# Altium PCB Spektrop2_Processor_Board_V1.PcbDoc (part 2 of 5)
Units mm, origin at the board's own origin, x right, y up, seen from the top; angles counter-clockwise.
Board outline 42 x 42 mm, 8 copper layers (TOP, L1-GND, L2, L3-1V8, L4-PWR, L5, L6-P2V5, BTM), stack 1.588 mm thick; 270 components, 225 nets, 1404 pads, 753 vias.
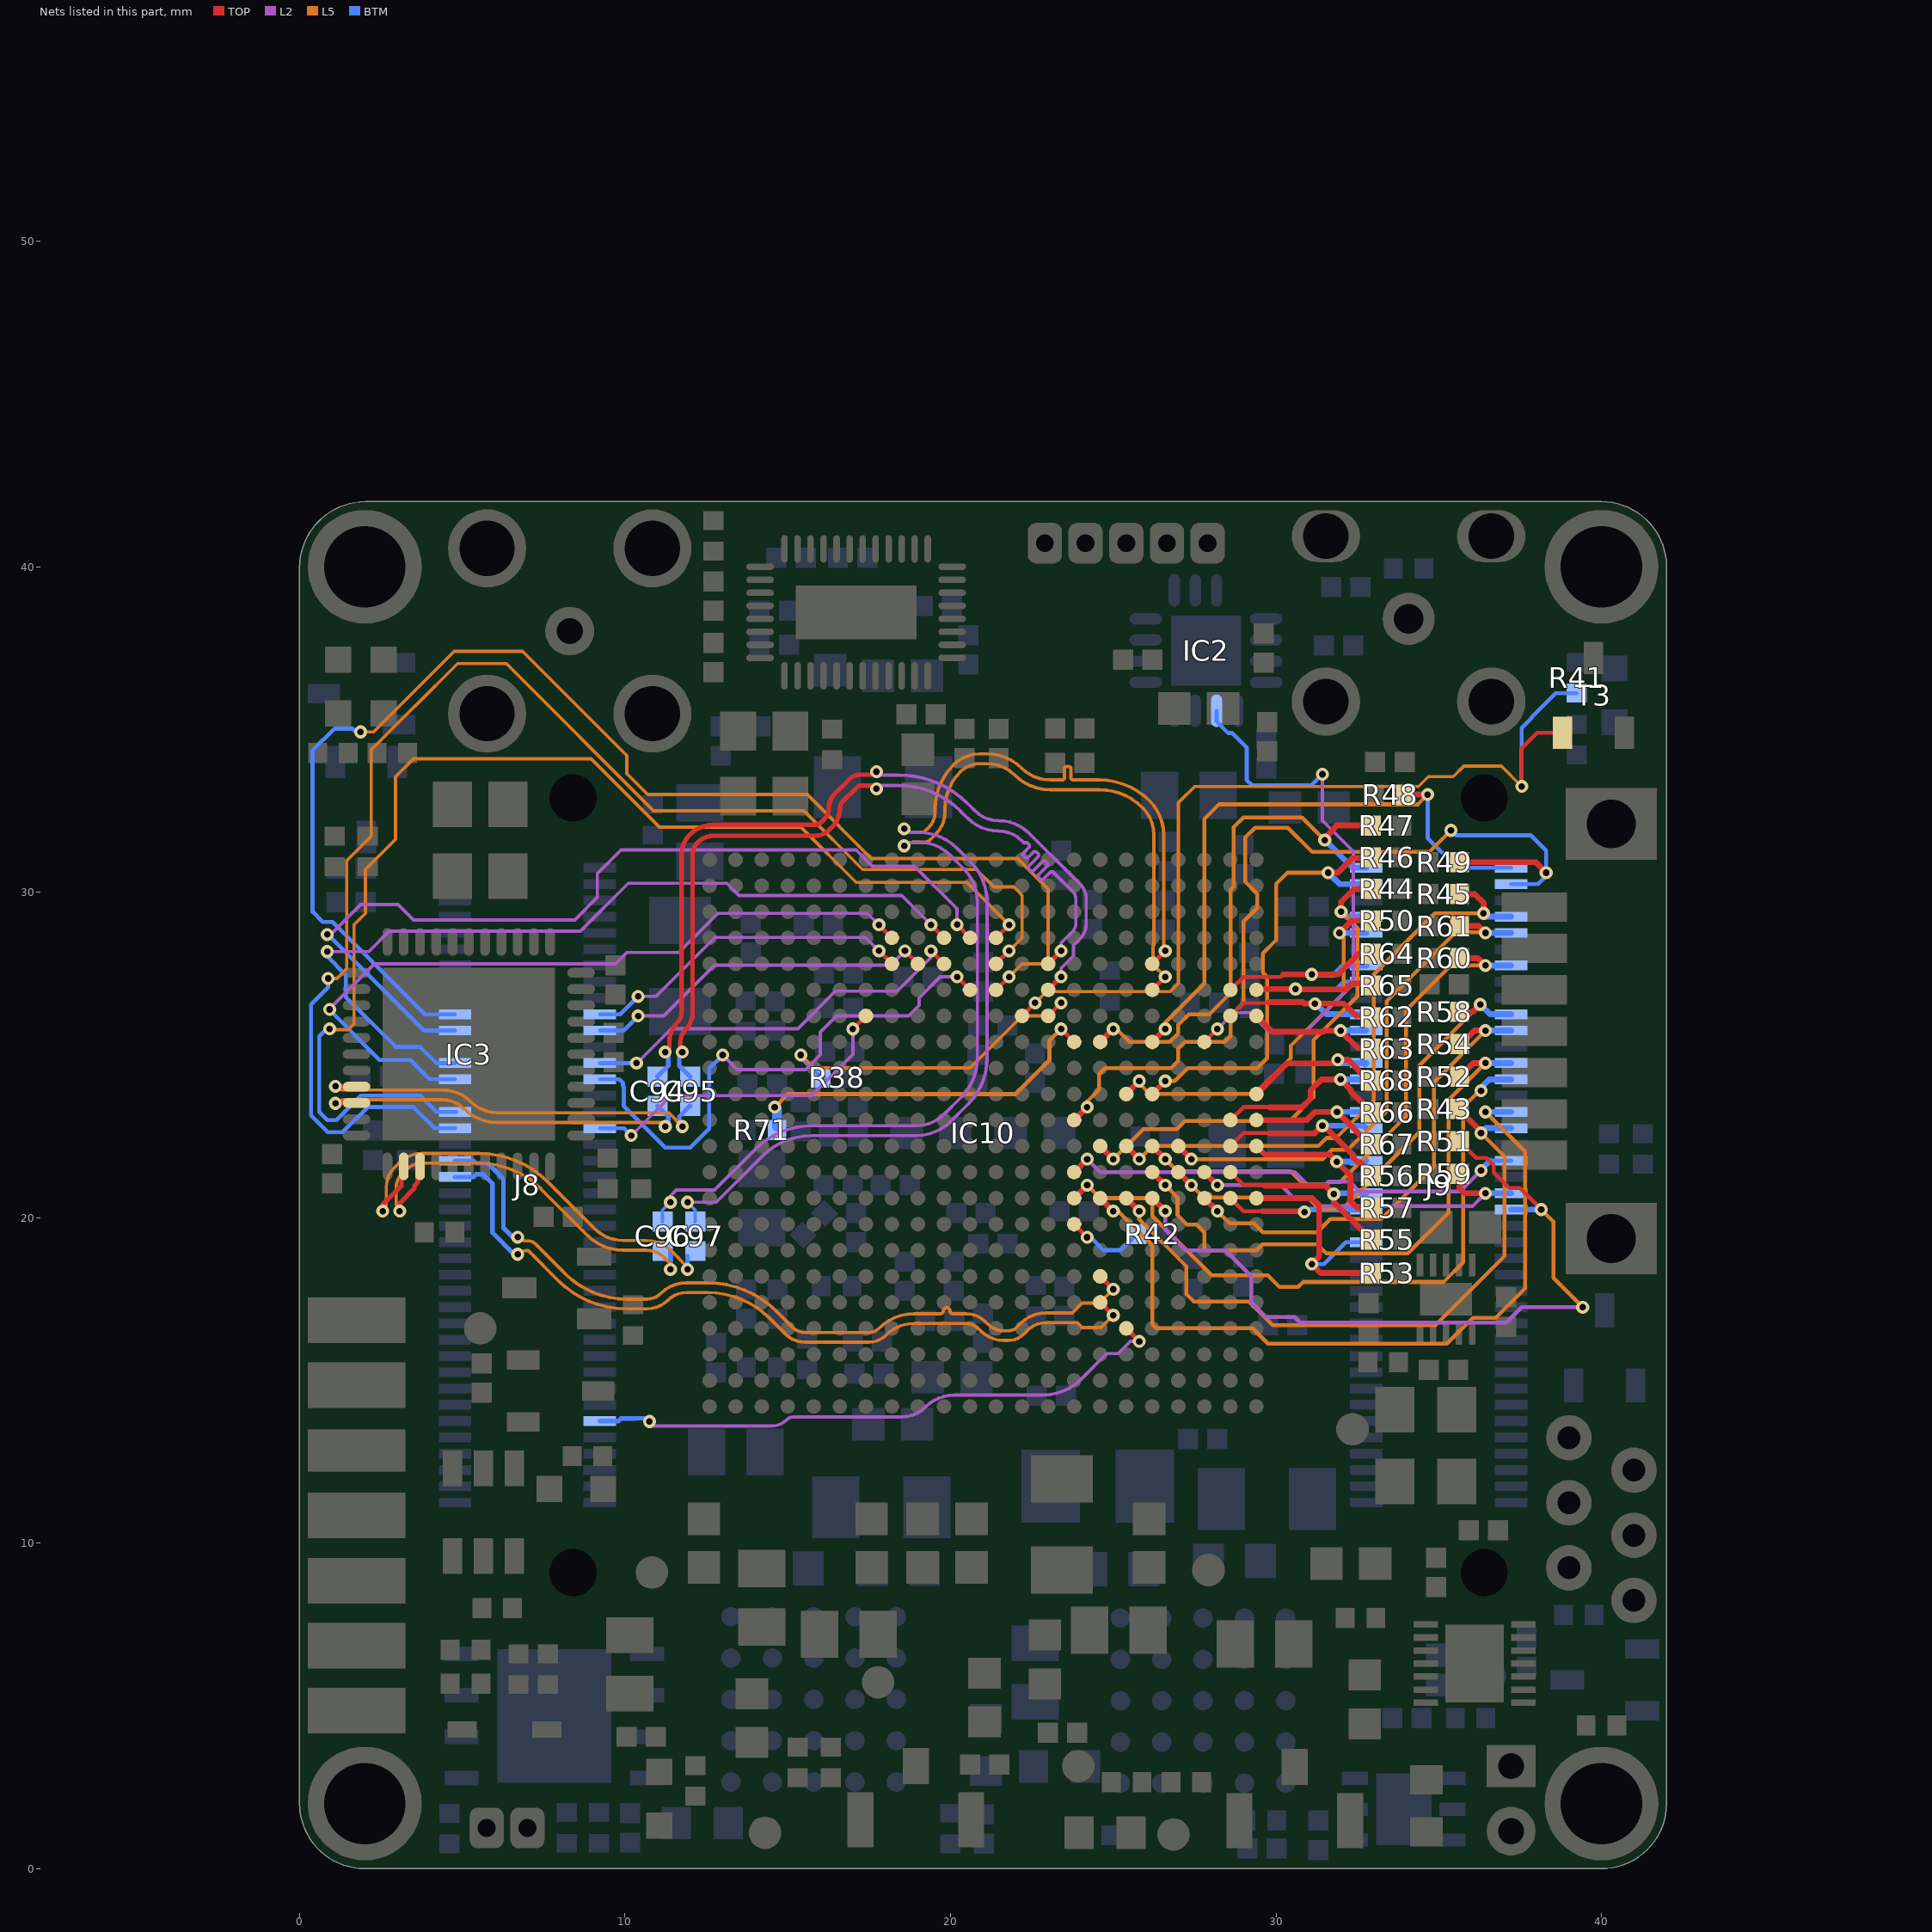
[diagram p8: the nets of this part, all layers, seen from the top]

## Footprints (in the part's own frame and the unit in brackets; to place one, negate y for a bottom-side part, rotate by r counter-clockwise, add the part's x,y. Pads: shape width x height; smd on the part's side, far side on the other; paste and mask are expansions set on the pad) (continued)
QFN50P700X700X90-45N-S530 [mm] "QFN,0.50mm Pitch, Square; 44 Pin, 7.00mm L X 7.00mm W X 0.90mm H Body (W/Thermal Tab 5.3mm X 5.3mm), IPC Medium Density"
  oval 0.85x0.3 smd: 1(-3.45,2.5) 2(-3.45,2) 3(-3.45,1.5) 4(-3.45,1) 5(-3.45,0.5) 6(-3.45,0) 7(-3.45,-0.5) 8(-3.45,-1) 9(-3.45,-1.5) 10(-3.45,-2) 11(-3.45,-2.5) 23(3.45,-2.5) 24(3.45,-2) 25(3.45,-1.5) 26(3.45,-1) 27(3.45,-0.5) 28(3.45,0) 29(3.45,0.5) 30(3.45,1) 31(3.45,1.5) 32(3.45,2) 33(3.45,2.5)
  oval 0.3x0.85 smd: 12(-2.5,-3.45) 13(-2,-3.45) 14(-1.5,-3.45) 15(-1,-3.45) 16(-0.5,-3.45) 17(0,-3.45) 18(0.5,-3.45) 19(1,-3.45) 20(1.5,-3.45) 21(2,-3.45) 22(2.5,-3.45) 34(2.5,3.45) 35(2,3.45) 36(1.5,3.45) 37(1,3.45) 38(0.5,3.45) 39(0,3.45) 40(-0.5,3.45) 41(-1,3.45) 42(-1.5,3.45) 43(-2,3.45) 44(-2.5,3.45)
  rect 5.3x5.3 smd: 45(0,0)
  silkscreen extent -4.57,-3.5 3.5,3.5, body extent -3.5,-3.5 3.5,3.5, height 0.9
QFN65P400X400X95-17N-S215 [mm] "QFN, 0.65mm Pitch, Square; 16 Pin, 4.00mm L X 4.00mm W X 0.95mm H Body (w/Thermal tab 2.15 X 2.15mm), IPC Medium Density"
  oval 1x0.35 smd: 1(-1.85,0.975) 2(-1.85,0.325) 3(-1.85,-0.325) 4(-1.85,-0.975) 9(1.85,-0.975) 10(1.85,-0.325) 11(1.85,0.325) 12(1.85,0.975)
  oval 0.35x1 smd: 5(-0.975,-1.85) 6(-0.325,-1.85) 7(0.325,-1.85) 13(0.975,1.85) 14(0.325,1.85) 15(-0.325,1.85) 16(-0.975,1.85)
  rect 2.15x2.15 smd: 17(0,0)
  silkscreen extent -3.07,-2 2,2, body extent -2,-2 2,2, height 0.95
RESC1005X40N [mm] "Chip Resistor, EIA 0402, Metric 1005, Body 1.0x0.5mm, IPC Medium Density"
  rect 0.58x0.62 smd: 1(-0.47,0) 2(0.47,0)
  body extent -0.52,-0.27 0.53,0.28, height 0.4
RESC1608X55N [mm] "Chip Resistor, EIA 0603, Metric 1608, Body 1.6x0.8mm, IPC Medium Density"
  rect 0.9x1 smd: 1(-0.8,0) 2(0.8,0)
  body extent -0.87,-0.47 0.88,0.48, height 0.55
SAMTEC_ERF5-040-05.0-L-DV-K [mm] "80 Contacts, Pitch 0.5mm, Edge Rate™ Rugged High Speed Straight Socket Strip"
  rect 0.3x1 smd: 1(9.75,2.225) 2(9.75,-2.225) 3(9.25,2.225) 4(9.25,-2.225) 5(8.75,2.225) 6(8.75,-2.225) 7(8.25,2.225) 8(8.25,-2.225) 9(7.75,2.225) 10(7.75,-2.225) 11(7.25,2.225) 12(7.25,-2.225) 13(6.75,2.225) 14(6.75,-2.225) 15(6.25,2.225) 16(6.25,-2.225) 17(5.75,2.225) 18(5.75,-2.225) 19(5.25,2.225) 20(5.25,-2.225) 21(4.75,2.225) 22(4.75,-2.225) 23(4.25,2.225) 24(4.25,-2.225) 25(3.75,2.225) 26(3.75,-2.225) 27(3.25,2.225) 28(3.25,-2.225) 29(2.75,2.225) 30(2.75,-2.225) 31(2.25,2.225) 32(2.25,-2.225) 33(1.75,2.225) 34(1.75,-2.225) 35(1.25,2.225) 36(1.25,-2.225) 37(0.75,2.225) 38(0.75,-2.225) 39(0.25,2.225) 40(0.25,-2.225) 41(-0.25,2.225) 42(-0.25,-2.225) 43(-0.75,2.225) 44(-0.75,-2.225) 45(-1.25,2.225) 46(-1.25,-2.225) 47(-1.75,2.225) 48(-1.75,-2.225) 49(-2.25,2.225) 50(-2.25,-2.225) 51(-2.75,2.225) 52(-2.75,-2.225) 53(-3.25,2.225) 54(-3.25,-2.225) 55(-3.75,2.225) 56(-3.75,-2.225) 57(-4.25,2.225) 58(-4.25,-2.225) 59(-4.75,2.225) 60(-4.75,-2.225) 61(-5.25,2.225) 62(-5.25,-2.225) 63(-5.75,2.225) 64(-5.75,-2.225) 65(-6.25,2.225) 66(-6.25,-2.225) 67(-6.75,2.225) 68(-6.75,-2.225) 69(-7.25,2.225) 70(-7.25,-2.225) 71(-7.75,2.225) 72(-7.75,-2.225) 73(-8.25,2.225) 74(-8.25,-2.225) 75(-8.75,2.225) 76(-8.75,-2.225) 77(-9.25,2.225) 78(-9.25,-2.225) 79(-9.75,2.225) 80(-9.75,-2.225)
  round 0.5 hole 1.45 unplated mask+0.475: 81(-11.9,1.4) 82(11.9,1.4)
  silkscreen extent -13.4,-2.47 13.4,2.47, body extent -13.4,-2.47 13.4,2.48, height 4.91
SOD2513X114N [mm] "SOD-323 Diode; 1.75mm W X 1.30mm L X 1.14mm H Body, IPC Medium Density"
  rect 0.9x0.5 smd: 1(-1.3,0) 2(1.3,0)
  silkscreen extent -1.45,-0.72 0.95,0.82, body extent -1.4,-0.72 1.4,0.73, height 1.15
SON40P200X200X80-11N-R100X160 [mm] "SON, 0.40mm Pitch; 10 Pin, 2.00mm W X 2.00mm L X 0.80mm H Body, (w/thermal tab 1.00 X 1.60 mm), IPC Medium Density"
  rect 0.7x0.2 smd: 1(-1.05,0.8) 2(-1.05,0.4) 3(-1.05,0) 4(-1.05,-0.4) 5(-1.05,-0.8) 6(1.05,-0.8) 7(1.05,-0.4) 8(1.05,0) 9(1.05,0.4) 10(1.05,0.8)
  rect 1x1.6 smd paste-0.225: 11(0,0)
  body extent -1.05,-1.05 1.05,1.05, height 0.8
SON40P300X300X80-15N-R180X240 [mm] "SON, 0.40mm Pitch; 14 Pin, 3.00mm W X 3.00mm L X 0.80mm H Body (w/Thermal Tab1.8mm x 2.4mm)"
  rect 0.75x0.2 smd: 1(-1.5,1.2) 2(-1.5,0.8) 3(-1.5,0.4) 4(-1.5,0) 5(-1.5,-0.4) 6(-1.5,-0.8) 7(-1.5,-1.2) 8(1.5,-1.2) 9(1.5,-0.8) 10(1.5,-0.4) 11(1.5,0) 12(1.5,0.4) 13(1.5,0.8) 14(1.5,1.2)
  rect 1.8x2.4 smd: 15(0,0)
  silkscreen extent -2.4,1.15 -2.3,1.25, body extent -1.5,-1.5 1.5,1.5, height 0.8
SON95P300X300X80-7N-R170X220 [mm] "SON, 0.95mm Pitch; 6 Pin, 3.00mm W X 3mm L X 0.80mm H body (w/Thermal Tab 1.7mm x 2.2mm)"
  rect 0.8x0.4 smd: 1(-1.5,0.95) 2(-1.5,0) 3(-1.5,-0.95) 4(1.5,-0.95) 5(1.5,0) 6(1.5,0.95)
  rect 1.7x2.2 smd: 7(0,0)
  silkscreen extent -1.67,-1.5 0.75,1.5, body extent -1.55,-1.55 1.55,1.55, height 0.8
SON127P600X500X80-9N-R350X410 [mm] "SON, 1.27mm pitch, 8 pin, 6.00mm W X 5.00mm L X 0.80mm H body (w/thermal tab  3.50 X 4.10 mm), IPC Medium Density"
  rect 1.05x0.45 smd: 1(-2.85,1.905) 2(-2.85,0.635) 3(-2.85,-0.635) 4(-2.85,-1.905) 5(2.85,-1.905) 6(2.85,-0.635) 7(2.85,0.635) 8(2.85,1.905)
  rect 3.5x4.1 smd: 9(0,0)
  silkscreen extent -3.97,-2.5 1.95,2.03, body extent -3,-2.5 3,2.5, height 0.8
SOT95P230X110-3N [mm] "SOT23, 3 pin, Pitch 0.95mm - 1.3mm W X 2.9mm L X 1.1mm H, IPC Medium Density"
  rect 1x0.6 smd: 1(-1.15,0.95) 2(-1.15,-0.95) 3(1.15,0)
  silkscreen extent -1.52,-1.45 0.33,1.87, body extent -1.08,-1.5 1.25,1.5, height 1.1
SOT95P237X112-3N [mm] "SOT, 0.95mm, pitch; 3 pin,1.30mm W X 2.92mm L X 1.12mm H body, IPC Medium Density"
  rect 1.05x0.6 smd: 1(-1.15,0.95) 2(-1.15,-0.95) 3(1.15,0)
  silkscreen extent -0.3,-1.45 0.3,1.45, body extent -1.25,-1.5 1.25,1.5, height 1.1
SOT95P240X130-3N [mm] "SOT23 3-Leads, Pitch 0.95mm - Body 1.3x2.9mm, IPC Medium Density"
  rect 1.05x0.65 smd: 1(-1.15,0.95) 3(1.15,0)
  rect 1.05x0.55 smd: 2(-1.15,-0.95)
  silkscreen extent -1.53,-1.33 0.3,1.92, body extent -1.25,-1.5 1.25,1.5, height 1.3
SOT95P280X110-6N [mm] "SOT, 0.95mm Pitch; 6 Pin, 1.60mm W X 2.90mm L X 1.10mm H Body, IPC Medium Density"
  rect 1.1x0.6 smd: 1(-1.35,0.95) 2(-1.35,0) 3(-1.35,-0.95) 4(1.35,-0.95) 5(1.35,0) 6(1.35,0.95)
  silkscreen extent -1.77,-1.25 0.48,1.87, body extent -1.4,-1.5 1.4,1.5, height 1.1
XTAL_TXC_7M [mm] "4 Pins, 2.5x3.2mm, SMD Sealing Crystal, 7M Serie"
  rect 1.2x1.4 smd: 1(-0.85,1.1) 2(-0.85,-1.1) 3(0.85,-1.1) 4(0.85,1.1)
  body extent -1.25,-1.6 1.25,1.6, height 0.8

## Part data
C35 C36: library part CC0402_33NF_16V_10%_X7R, "Non-polarised capacitor", Case=0402, Manufacturer=GENERIC, Manufacturer1 ComponentHeight=0.55mm, Manufacturer1 Example=PHYCOMP, Manufacturer1 Part Number=223878715643, Tolerance=±10%, Voltage=16V, Author="CERN DEM JLC", Component Type=Standard, CreateDate=03-Dec-07, HelpURL=\\cern.ch\dfs\Applications\Altium\Datasheets\CC0402_X7R_PHYCOMP.pdf, LatestRevisionDate=03-Dec-07, Manufacturer Part Number=CC0402_33NF_16V_10%_X7R, Mounted=Yes, Part Description="SMD Multilayer Chip Ceramic Capacitor", Part Number=CC0402_33NF_16V_10%_X7R, Pin Count=2, Sense=No, SMD=Yes, Socket=No, Status="Not Recommended", TC=X7R
C37 C55 C56 C64 C65 C72 C80 C82 C83 C86 C87 C88 C89 C90 C92 C94 C95 C96 C97 C98 C99 C100 C101 C102 C103 C104 C105 C107 C108 C135 C136 C151 C164 C166 C167 C171: library part CC0402_100NF_16V_10%_X7R, "Non-polarised capacitor", Case=0402, Manufacturer=GENERIC, Manufacturer1 ComponentHeight=0.55mm, Manufacturer1 Example=MURATA, Manufacturer1 Part Number=GRM155R71C104KA88D, Tolerance=±10%, Voltage=16V, Author="CERN DEM JLC", Component Type=Standard, HelpURL=\\cern.ch\dfs\Applications\Altium\Datasheets\CC0402_X7R_MURATA_GRM.pdf, Manufacturer Part Number=CC0402_100NF_16V_10%_X7R, Mounted=Yes, Part Description="SMD Multilayer Chip Ceramic Capacitor", Part Number=CC0402_100NF_16V_10%_X7R, Pin Count=2, Sense=No, SMD=Yes, Socket=No, Status="Not Recommended", TC=X7R
  C37 C55 C56 C64 C65 C72 C80 C82 C83 C86 C87 C88 C89 C90 C94 C95 C96 C97 C98 C99 C100 C101 C102 C103 C104 C105 C164 C166 C167 C171: CreateDate=05-Dec-13, LatestRevisionDate=03-Dec-07
  C92 C107 C108 C135 C136 C151: CreateDate=12/5/2013, LatestRevisionDate=12/3/2007
C38 C39 C40 C77 C78: library part CC0402_10NF_16V_10%_X7R, "Non-polarised capacitor", Case=0402, Manufacturer=GENERIC, Manufacturer1 ComponentHeight=0.55mm, Manufacturer1 Example=PHYCOMP, Manufacturer1 Part Number=223878715636, Tolerance=±10%, Voltage=16V, Author="CERN DEM JLC", Component Type=Standard, CreateDate=03-Dec-07, HelpURL=\\cern.ch\dfs\Applications\Altium\Datasheets\CC0402_X7R_PHYCOMP.pdf, LatestRevisionDate=03-Dec-07, Manufacturer Part Number=CC0402_10NF_16V_10%_X7R, Mounted=Yes, Part Description="SMD Multilayer Chip Ceramic Capacitor", Part Number=CC0402_10NF_16V_10%_X7R, Pin Count=2, Sense=No, SMD=Yes, Socket=No, Status="Not Recommended", TC=X7R
C41 C42 C43 C44 C45 C46 C47 C48 C49 C73 C79 C91 C168 C170: library part CC0402_1UF_16V_10%_X5R, "Non-polarised capacitor", Case=0402, Manufacturer=GENERIC, Manufacturer1 ComponentHeight=0.55mm, Manufacturer1 Example=TDK, Manufacturer1 Part Number=C1005X5R1C105KT, Tolerance=±10%, Voltage=16V, Author="CERN DEM JLC", Component Type=Standard, HelpURL=\\cern.ch\dfs\Applications\Altium\Datasheets\CC0402_X5R_TDK_C.pdf, Manufacturer Part Number=CC0402_1UF_16V_10%_X5R, Mounted=Yes, Part Description="SMD Multilayer Chip Ceramic Capacitor", Part Number=CC0402_1UF_16V_10%_X5R, Pin Count=2, Sense=No, SMD=Yes, Socket=No, Status=Preferred, TC=X5R
  C41 C42 C43 C44 C45 C46 C47 C48 C49 C73 C79 C168 C170: CreateDate=25-Oct-12, LatestRevisionDate=25-Oct-12
  C91: CreateDate=2012-10-25, LatestRevisionDate=2012-10-25
C50 C59: library part CC0805_10UF_25V_10%_X5R, "Non-polarised capacitor", Case=0805, Manufacturer=GENERIC, Manufacturer1 ComponentHeight=0.95mm, Manufacturer1 Example=MURATA, Manufacturer1 Part Number=GRM219R61E106KA12D, Tolerance=±10%, Voltage=25V, Author="CERN DEM JLC", Component Type=Standard, CreateDate=2012-10-25, HelpURL=\\cern.ch\dfs\Applications\Altium\Datasheets\CC0805_X5R_MURATA_GRM.pdf, LatestRevisionDate=2016-09-06, Manufacturer Part Number=CC0805_10UF_25V_10%_X5R, Mounted=Yes, Part Description="SMD Multilayer Chip Ceramic Capacitor", Part Number=CC0805_10UF_25V_10%_X5R, Pin Count=2, Sense=No, SMD=Yes, Socket=No, Status=Preferred, TC=X5R
C51 C52 C60 C61: library part CC0603_4.7UF_16V_10%_X5R, "Non-polarised capacitor", Case=0603, Manufacturer=GENERIC, Manufacturer1 ComponentHeight=0.95mm, Manufacturer1 Example="TAIYO YUDEN", Manufacturer1 Part Number=EMK107ABJ475KA-T, Tolerance=±10%, Voltage=16V, Author="CERN DEM JLC", Component Type=Standard, CreateDate=16-Dec-13, HelpURL=\\cern.ch\dfs\Applications\Altium\Datasheets\CC0603_X7R_TAIYO-YUDEN_HIGH-VALUE.pdf, LatestRevisionDate=16-Sep-14, Manufacturer Part Number=CC0603_4.7UF_16V_10%_X5R, Mounted=Yes, Part Description="SMD Multilayer Chip Ceramic Capacitor", Part Number=CC0603_4.7UF_16V_10%_X5R, Pin Count=2, Sense=No, SMD=Yes, Socket=No, Status=None, TC=X5R
C53 C57 C62 C66 C114 C117 C120 C137 C152: library part CC0805_47UF_6.3V_20%_X5R, "Non-polarised capacitor", Case=0805, Manufacturer=GENERIC, Manufacturer1 ComponentHeight=1.4mm, Manufacturer1 Example=KEMET, Manufacturer1 Part Number=C0805C476M9PACTU, Tolerance=±20%, Voltage=6.3V, Author="CERN DEM JLC", Component Type=Standard, HelpURL=\\cern.ch\dfs\Applications\Altium\Datasheets\CC0805_X5R_KEMET.pdf, Manufacturer Part Number=CC0805_47UF_6.3V_20%_X5R, Mounted=Yes, Part Description="SMD Multilayer Chip Ceramic Capacitor", Part Number=CC0805_47UF_6.3V_20%_X5R, Pin Count=2, Sense=No, SMD=Yes, Socket=No, Status=Preferred, TC=X5R
  C53 C57 C62 C66: CreateDate=16-Oct-12, LatestRevisionDate=16-Oct-12
  C114 C117 C120 C137 C152: CreateDate=10/16/2012, LatestRevisionDate=10/16/2012
C54 C58 C63 C67: library part CC0603_22UF_6.3V_20%_X5R, "Non-polarised capacitor", Case=0603, Manufacturer=GENERIC, Manufacturer1 ComponentHeight=1mm, Manufacturer1 Example=TDK, Manufacturer1 Part Number=C1608X5R0J226M080AC, Tolerance=±20%, Voltage=6.3V, Author="CERN DEM JLC", Component Type=Standard, CreateDate=16-Dec-13, HelpURL=\\cern.ch\dfs\Applications\Altium\Datasheets\CC0603_X5R_TDK_C.pdf, LatestRevisionDate=13-Sep-16, Manufacturer Part Number=CC0603_22UF_6.3V_20%_X5R, Mounted=Yes, Part Description="SMD Multilayer Chip Ceramic Capacitor", Part Number=CC0603_22UF_6.3V_20%_X5R, Pin Count=2, Sense=No, SMD=Yes, Socket=No, Status=None, TC=X5R
C74 C75 C106 C110 C111 C113 C115 C116 C118 C119 C134 C138 C139 C141 C144 C146 C153 C157 C160 C165: library part CC0402_4.7UF_6.3V_20%_X5R, "Non-polarised capacitor", Case=0402, Manufacturer=GENERIC, Manufacturer1 ComponentHeight=0.65mm, Manufacturer1 Example=TDK, Manufacturer1 Part Number=C1005X5R0J475M050BC, Tolerance=±20%, Voltage=6.3V, Author="CERN DEM JLC", Component Type=Standard, HelpURL=\\cern.ch\dfs\Applications\Altium\Datasheets\CC0402_X5R_TDK_C.pdf, Manufacturer Part Number=CC0402_4.7UF_6.3V_20%_X5R, Mounted=Yes, Part Description="SMD Multilayer Chip Ceramic Capacitor", Part Number=CC0402_4.7UF_6.3V_20%_X5R, Pin Count=2, Sense=No, SMD=Yes, Socket=No, Status=Preferred, TC=X5R
  C74 C75: CreateDate=03-Mar-15, LatestRevisionDate=03-Mar-15
  C106 C110 C111 C113 C115 C116 C118 C119 C134 C138 C139 C141 C144 C146 C153 C157 C160 C165: CreateDate=3/3/2015, LatestRevisionDate=3/3/2015
C76 C121 C122 C123 C124 C125 C126 C127 C128 C129 C130 C131 C132 C133 C142 C145 C147 C148 C149 C150 C154 C155 C158 C161 C162: library part CC0402_470NF_16V_10%_X5R, "Non-polarised capacitor", Case=0402, Manufacturer=GENERIC, Manufacturer1 ComponentHeight=0.55mm, Manufacturer1 Example=TDK, Manufacturer1 Part Number=C1005X5R1C105KT, Tolerance=±10%, Voltage=16V, Author="CERN DEM JLC", Component Type=Standard, HelpURL=\\cern.ch\dfs\Applications\Altium\Datasheets\CC0402_X5R_TDK_C.pdf, Manufacturer Part Number=CC0402_470NF_16V_10%_X5R, Mounted=Yes, Part Description="SMD Multilayer Chip Ceramic Capacitor", Part Number=CC0402_470NF_16V_10%_X5R, Pin Count=2, Sense=No, SMD=Yes, Socket=No, Status=Preferred, TC=X5R
  C76: CreateDate=25-Oct-12, LatestRevisionDate=25-Oct-12
  C121 C122 C123 C124 C125 C126 C127 C128 C129 C130 C131 C132 C133 C142 C145 C147 C148 C149 C150 C154 C155 C158 C161 C162: CreateDate=10/25/2012, LatestRevisionDate=10/25/2012
C81 C84 C85 C93 C163: library part CC0603_10UF_10V_10%_X5R, "Non-polarised capacitor", Case=0603, Manufacturer=GENERIC, Manufacturer1 ComponentHeight=0.8mm, Manufacturer1 Example=MURATA, Manufacturer1 Part Number=GRM188R61A106KE69D, Tolerance=±10%, Voltage=10V, Author="CERN DEM JLC", Component Type=Standard, HelpURL=\\cern.ch\dfs\Applications\Altium\Datasheets\CC0603_MURATA_GRM188R61A106KE69D.pdf, Manufacturer Part Number=CC0603_10UF_10V_10%_X5R, Mounted=Yes, Part Description="SMD Multilayer Chip Ceramic Capacitor", Part Number=CC0603_10UF_10V_10%_X5R, Pin Count=2, Sense=No, SMD=Yes, Socket=No, Status=None, TC=X5R
  C81 C84 C85 C93: CreateDate=31-Jan-17, LatestRevisionDate=31-Jan-17
  C163: CreateDate=1/31/2017, LatestRevisionDate=1/31/2017
C109: library part CTE3528-21_330UF_2.5V_20%_LESR0015_KEMET_T520, "Polarised capacitor", Case=B, Manufacturer=KEMET, Manufacturer Part Number=T520B337M2R5ATE015, Tolerance=±20%, Voltage=2.5V, Author="CERN DEM JLC", ComponentHeight=2.1mm, Component Type=Standard, CreateDate=07-Mar-12, HelpURL=\\cern.ch\dfs\Applications\Altium\Datasheets\CTE-LESR_KEMET_T520.pdf, LatestRevisionDate=01-Sep-14, Mounted=Yes, Part Description="Low ESR 0R015 Tantalum Chip Capacitor", Part Number=CTE3528-21_330UF_2.5V_20%_LESR0015_KEMET_T520, Pin Count=2, Sense=No, SMD=Yes, Socket=No, Status=None
C112 C140 C143 C156 C159: library part CC1206_100UF_10V_20%_X5R, "Non-polarised capacitor", Case=1206, Manufacturer=GENERIC, Manufacturer1 ComponentHeight=1.9mm, Manufacturer1 Example=TDK, Manufacturer1 Part Number=C3216X5R1A107M160AC, Tolerance=±20%, Voltage=10V, Author="CERN DEM MR", Component Type=Standard, CreateDate=3/14/2017, HelpURL=\\cern.ch\dfs\Applications\Altium\Datasheets\CC1206_X5R_TDK_C.pdf, LatestRevisionDate=3/14/2017, Manufacturer Part Number=CC1206_100UF_10V_20%_X5R, Mounted=Yes, Part Description="SMD Multilayer Chip Ceramic Capacitor", Part Number=CC1206_100UF_10V_20%_X5R, Pin Count=2, Sense=No, SMD=Yes, Socket=No, Status=None, TC=X5R
C169: library part CC0402_10UF_6.3V_20%_X5R, "Non-polarised capacitor", Case=0402, Manufacturer=GENERIC, Manufacturer1 ComponentHeight=0.70mm, Manufacturer1 Example=TDK, Manufacturer1 Part Number=C1005X5R0J106M050BC, Tolerance=±10%, Voltage=6.3V, Author="CERN DEM JLC", Component Type=Standard, CreateDate=07-Jan-15, HelpURL=\\cern.ch\dfs\Applications\Altium\Datasheets\CC0402_X5R_TDK_C.pdf, LatestRevisionDate=07-Jan-15, Manufacturer Part Number=CC0402_10UF_6.3V_20%_X5R, Mounted=Yes, Part Description="SMD Multilayer Chip Ceramic Capacitor", Part Number=CC0402_10UF_6.3V_20%_X5R, Pin Count=2, Sense=No, SMD=Yes, Socket=No, Status=Preferred, TC=X5R
D1: "Unidirectional ESD Protection for Transient Voltage Suppressor Diode", Case=SOD323, Manufacturer=BOURNS, Power=350W, Voltage=12V, Author="CERN DEM BC", Bonding=No, ComponentHeight=1.14mm, Component Type=Standard, CreateDate=26-Jul-17, Device=CDSOD323-T12, HelpURL=\\cern.ch\dfs\Applications\Altium\Datasheets\CDSOD323-T12.pdf, LatestRevisionDate=26-Jul-17, Manufacturer Part Number=CDSOD323-T12, Mounted=Yes, PackageDescription="SOD-323 Diode; 1.75mm W X 1.30mm L X 1.14mm H Body, IPC Medium Density", Part Description="Unidirectional ESD Protection for Transient Voltage Suppressor Diode", Part Number=CDSOD323-T12, Pin Count=2, PressFit=No, Sense=No, SMD=Yes, Socket=No
D3 D4: "Asymmetrical TVS Diode for Extended Common-Mode RS-485", Case=SOT-23, Manufacturer=SEMTECH, Power=400W, Voltage=12V/-7V, Author="CERN DEM JLC", Bonding=No, ComponentHeight=1.12mm, Component Type=Standard, CreateDate=23-Apr-12, Device=SM712, HelpURL=\\cern.ch\dfs\Applications\Altium\Datasheets\SM712.pdf, LatestRevisionDate=23-Apr-12, Manufacturer Part Number=SM712, Mounted=Yes, PackageDescription="SOT, 0.95mm, pitch; 3 pin,1.30mm W X 2.92mm L X 1.12mm H body, IPC Medium Density", Part Description="Asymmetrical TVS Diode for Extended Common-Mode RS-485", Part Number=SM712, Pin Count=3, PressFit=No, Sense=No, SMD=Yes, Socket=No, Status=Obsolete
D5: "Quad Common Anode ESD Protection Diodes (30kV)", Case=SOT23-6, Manufacturer="NXP SEMICONDUCTORS", Power=200W, Voltage=3V3, Author="CERN DEM MR", Bonding=No, ComponentHeight=1.1mm, Component Type=Standard, CreateDate=08-Feb-16, Device=PESD3V3S4UD, HelpURL=\\cern.ch\dfs\Applications\Altium\Datasheets\PESD3V3S4UD.pdf, LatestRevisionDate=08-Feb-16, Manufacturer Part Number=PESD3V3S4UD, Mounted=Yes, PackageDescription="SOT, 0.95mm Pitch; 6 Pin, 1.60mm W X 2.90mm L X 1.10mm H Body, IPC Medium Density", Part Description="Quad Common Anode ESD Protection Diodes (30kV)", Part Number=PESD3V3S4UD, Pin Count=6, PressFit=No, Sense=No, SMD=Yes, Socket=No
D6: "Diode Schottky  Anode Pin 1 Cathode Pin 3 (Pas de pin 2)", Case=SOT23-3, Manufacturer="FAIRCHILD SEMICONDUCTOR", Power=200mA, Voltage=30V, Author="CERN DEM JLC", Bonding=No, ComponentHeight=1.30mm, Component Type=Standard, CreateDate=9/17/2009, Device=BAT54, HelpURL=\\cern.ch\dfs\Applications\Altium\Datasheets\BAT54.pdf, LatestRevisionDate=5/27/2010, Manufacturer Part Number=BAT54, Mounted=Yes, PackageDescription="SOT23 3-Leads, Pitch 0.95mm - Body 1.3x2.9mm, IPC Medium Density", Part Description="Single Small Signal Schottky Diode", Part Number=BAT54, Pin Count=3, PressFit=No, Sense=No, SMD=Yes, Socket=No
IC2: "6.25Gbps Asymmetric Coax Driver", Case=QFN16, Manufacturer="MICROCHIP TECHNOLOGY", Author="CERN DEM JLC", Bonding=No, ComponentHeight=0.95mm, Component Type=Standard, CreateDate=21-Nov-17, Device=EQCO62T20.3, HelpURL=\\cern.ch\dfs\Applications\Altium\Datasheets\EQCO62T20.3.pdf, LatestRevisionDate=21-Nov-17, Manufacturer Part Number=EQCO62T20.3, Mounted=Yes, PackageDescription="QFN, 0.65mm Pitch, Square; 16 Pin, 4.00mm L X 4.00mm W X 0.95mm H Body (w/Thermal tab 2.15 X 2.15mm), IPC Medium Density", Part Description="6.25Gbps Asymmetric Coax Driver", Part Number=EQCO62T20.3, Pin Count=17, PressFit=No, Sense=No, SMD=Yes, Socket=No